# Altium PCB CorePad-V2.0.PcbDoc (part 1 of 3)
Units mil, origin at the board's own origin, x right, y up, seen from the top; angles counter-clockwise.
Board outline 2003.94 x 2003.94 mil, 4 copper layers (TOP, GND02, VCC03, BOT), stack 30.634 mil thick; 57 components, 182 nets, 610 pads, 391 vias.
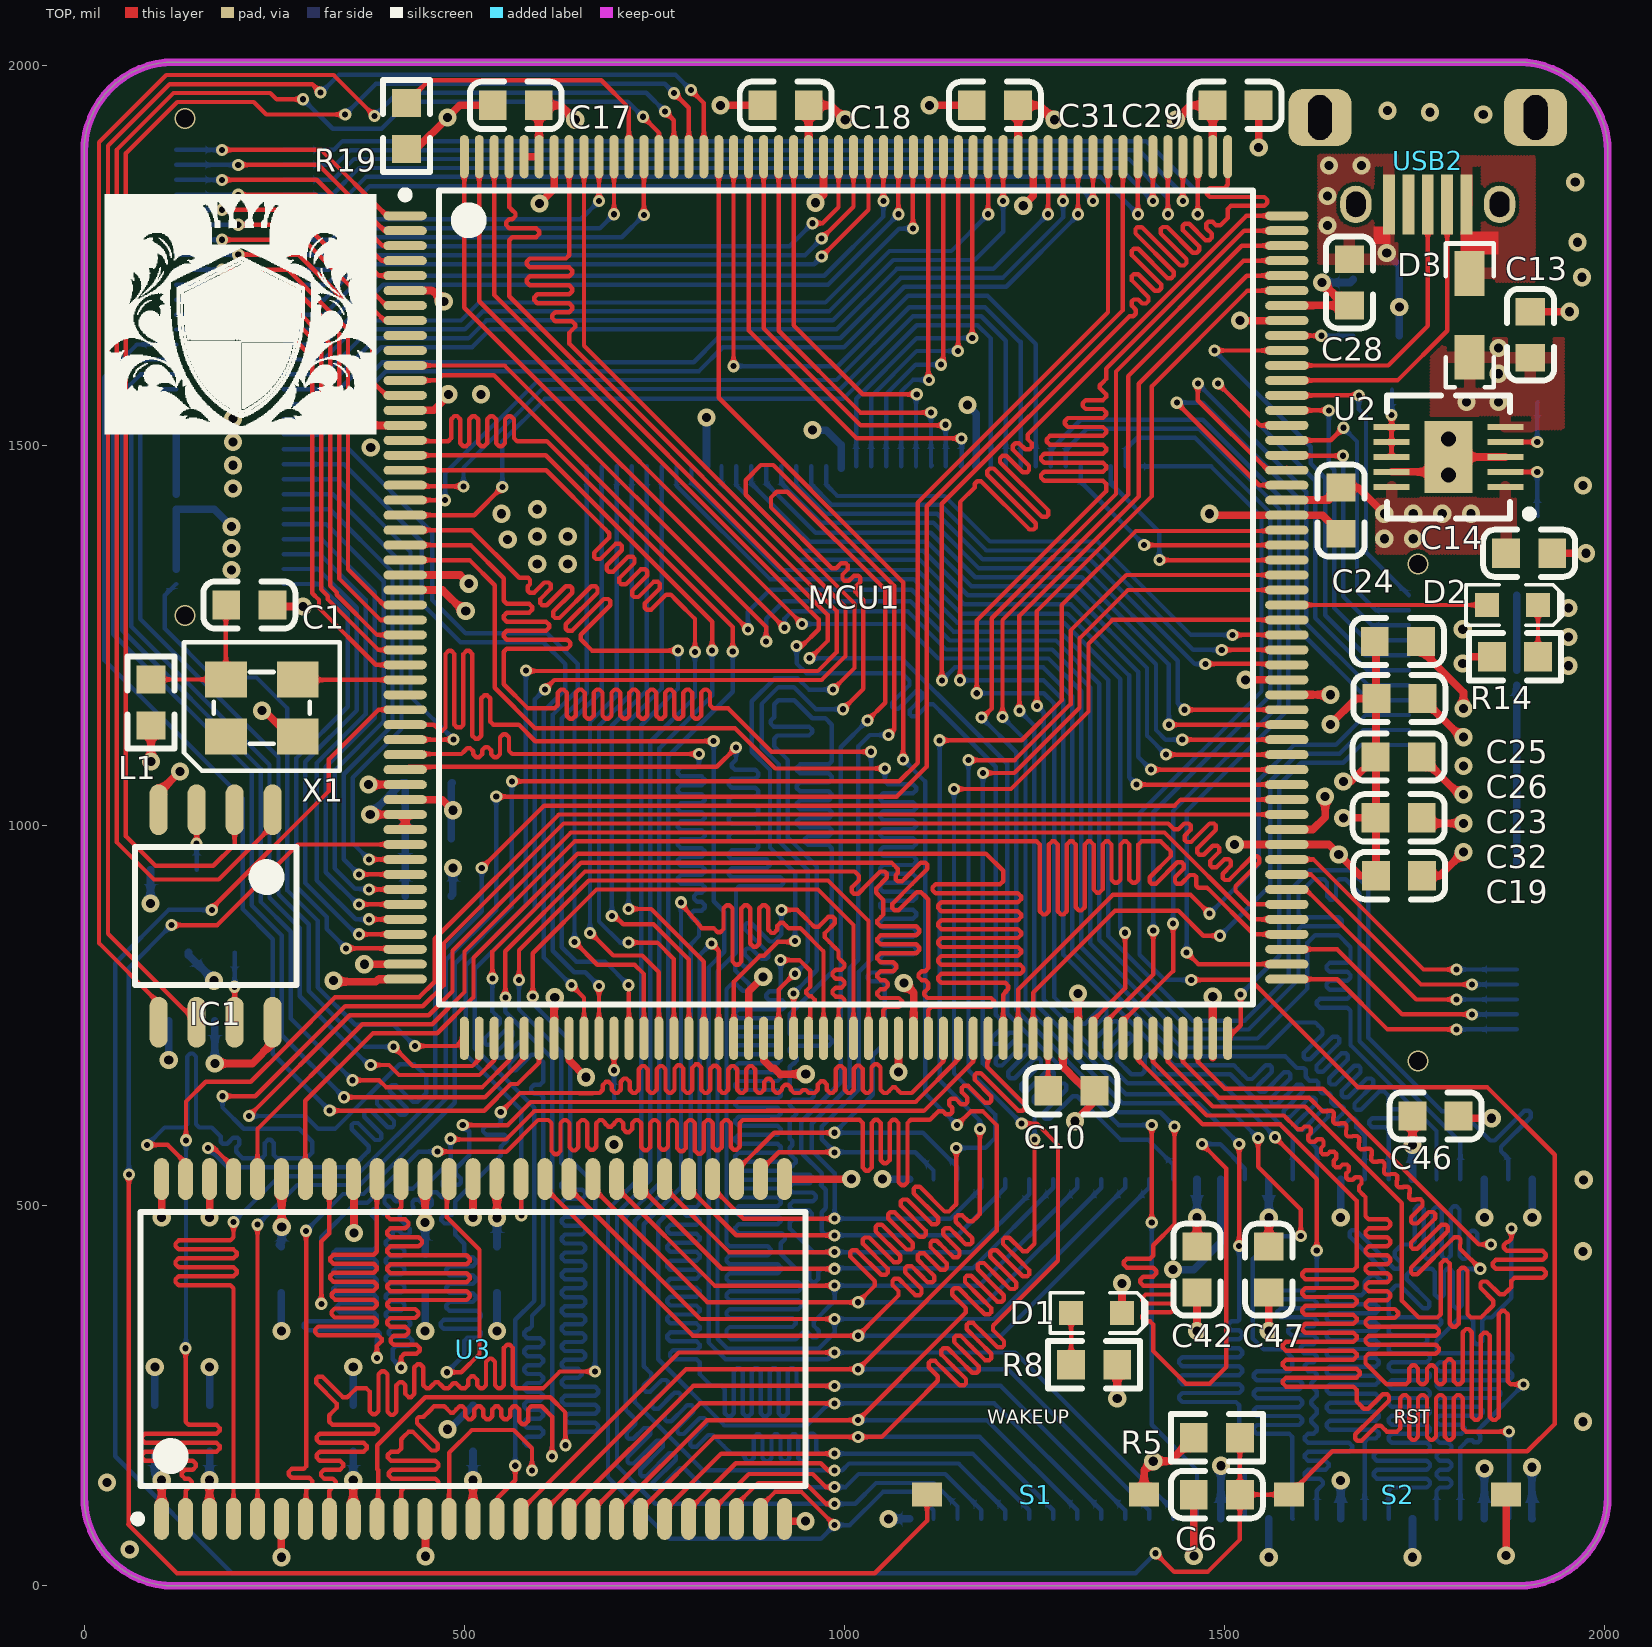
[diagram p0: TOP view]
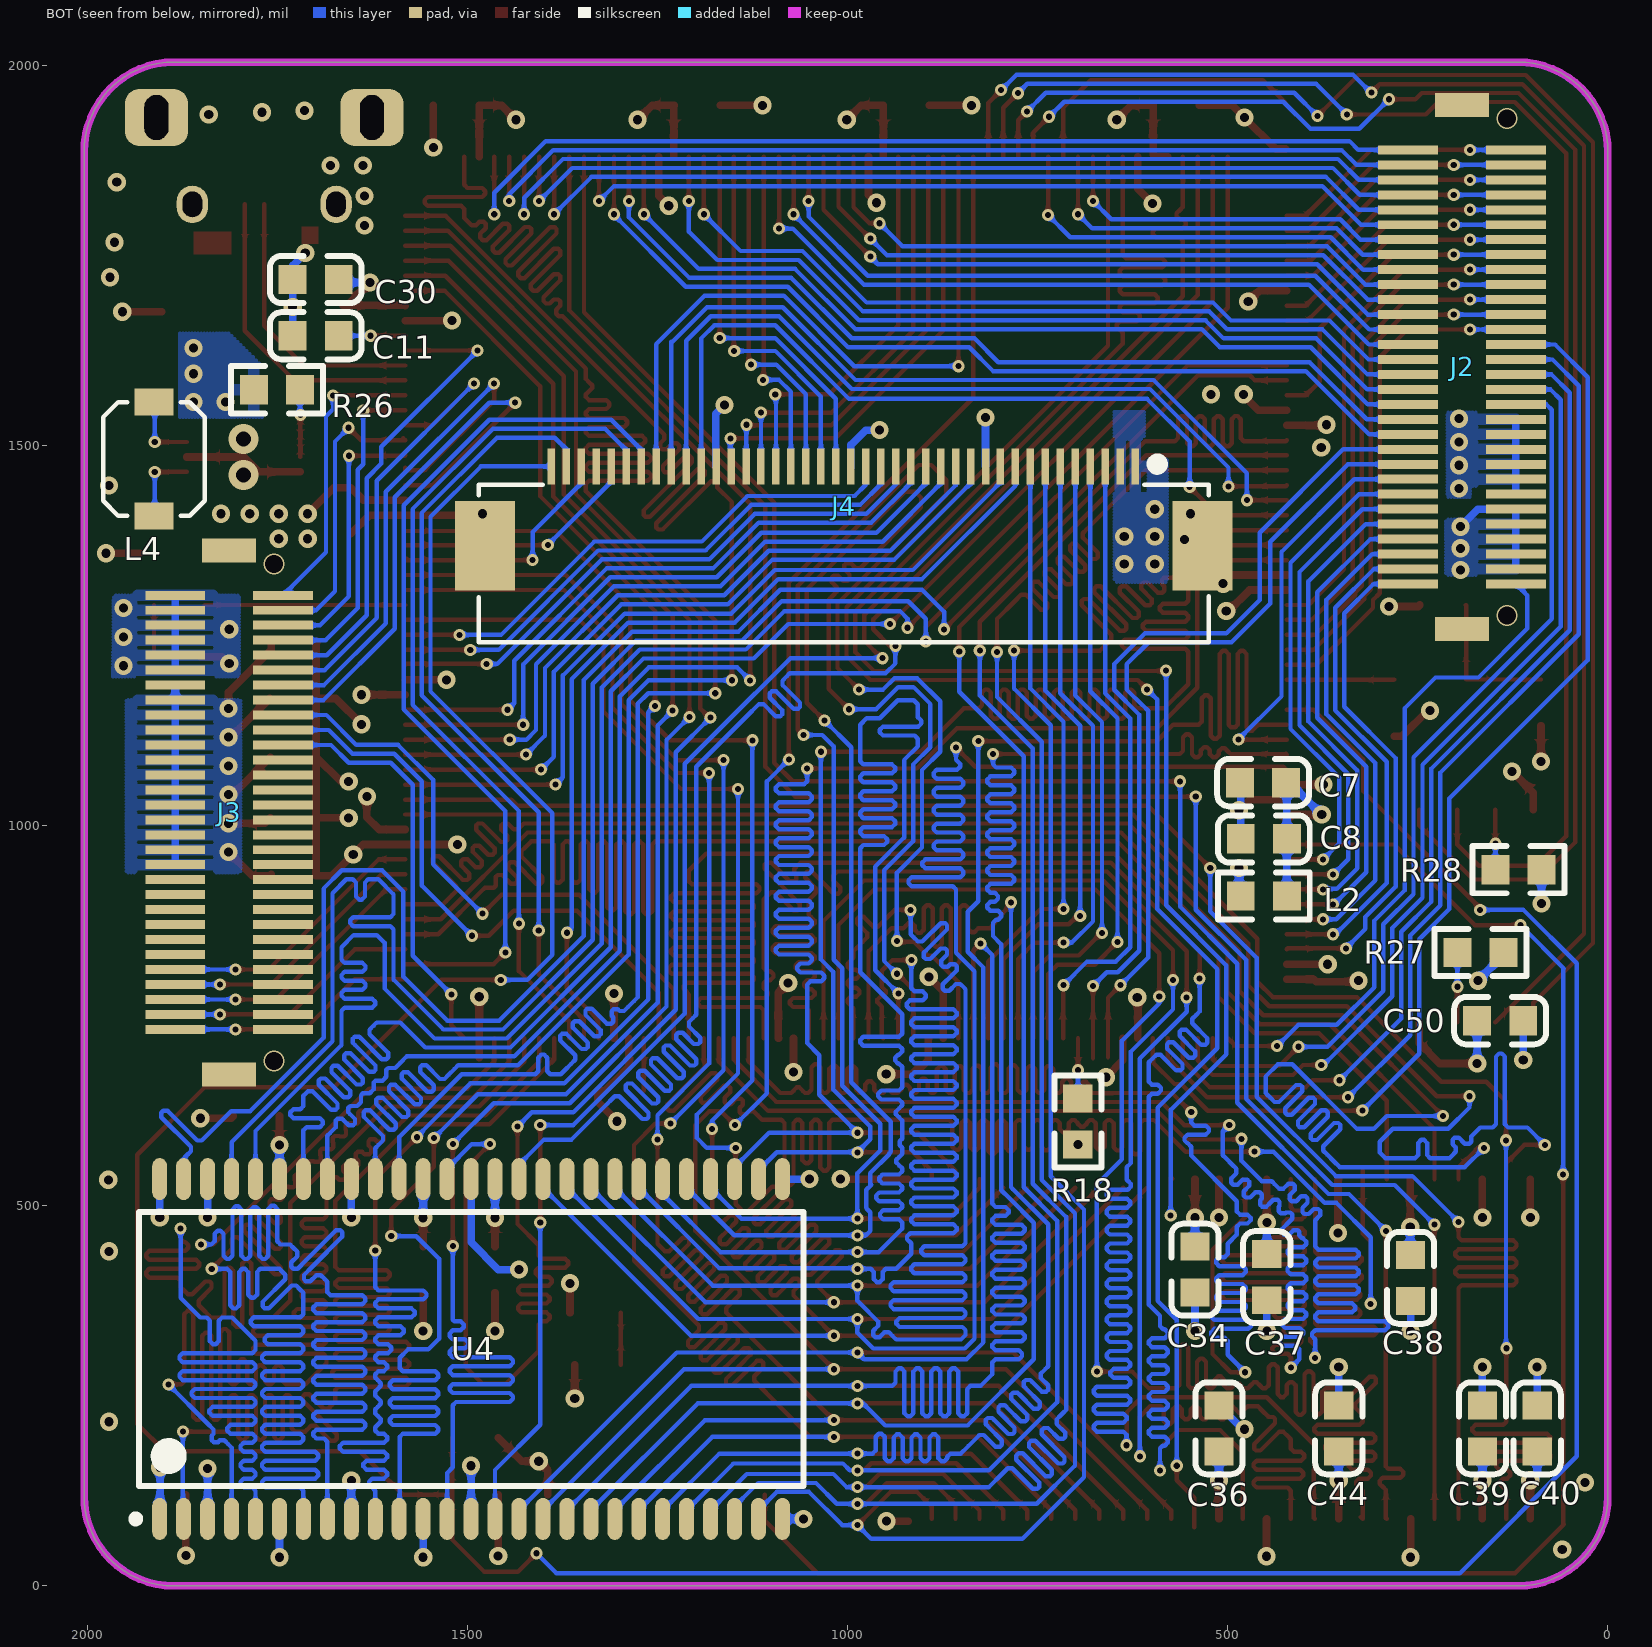
[diagram p1: BOT view, seen from below]
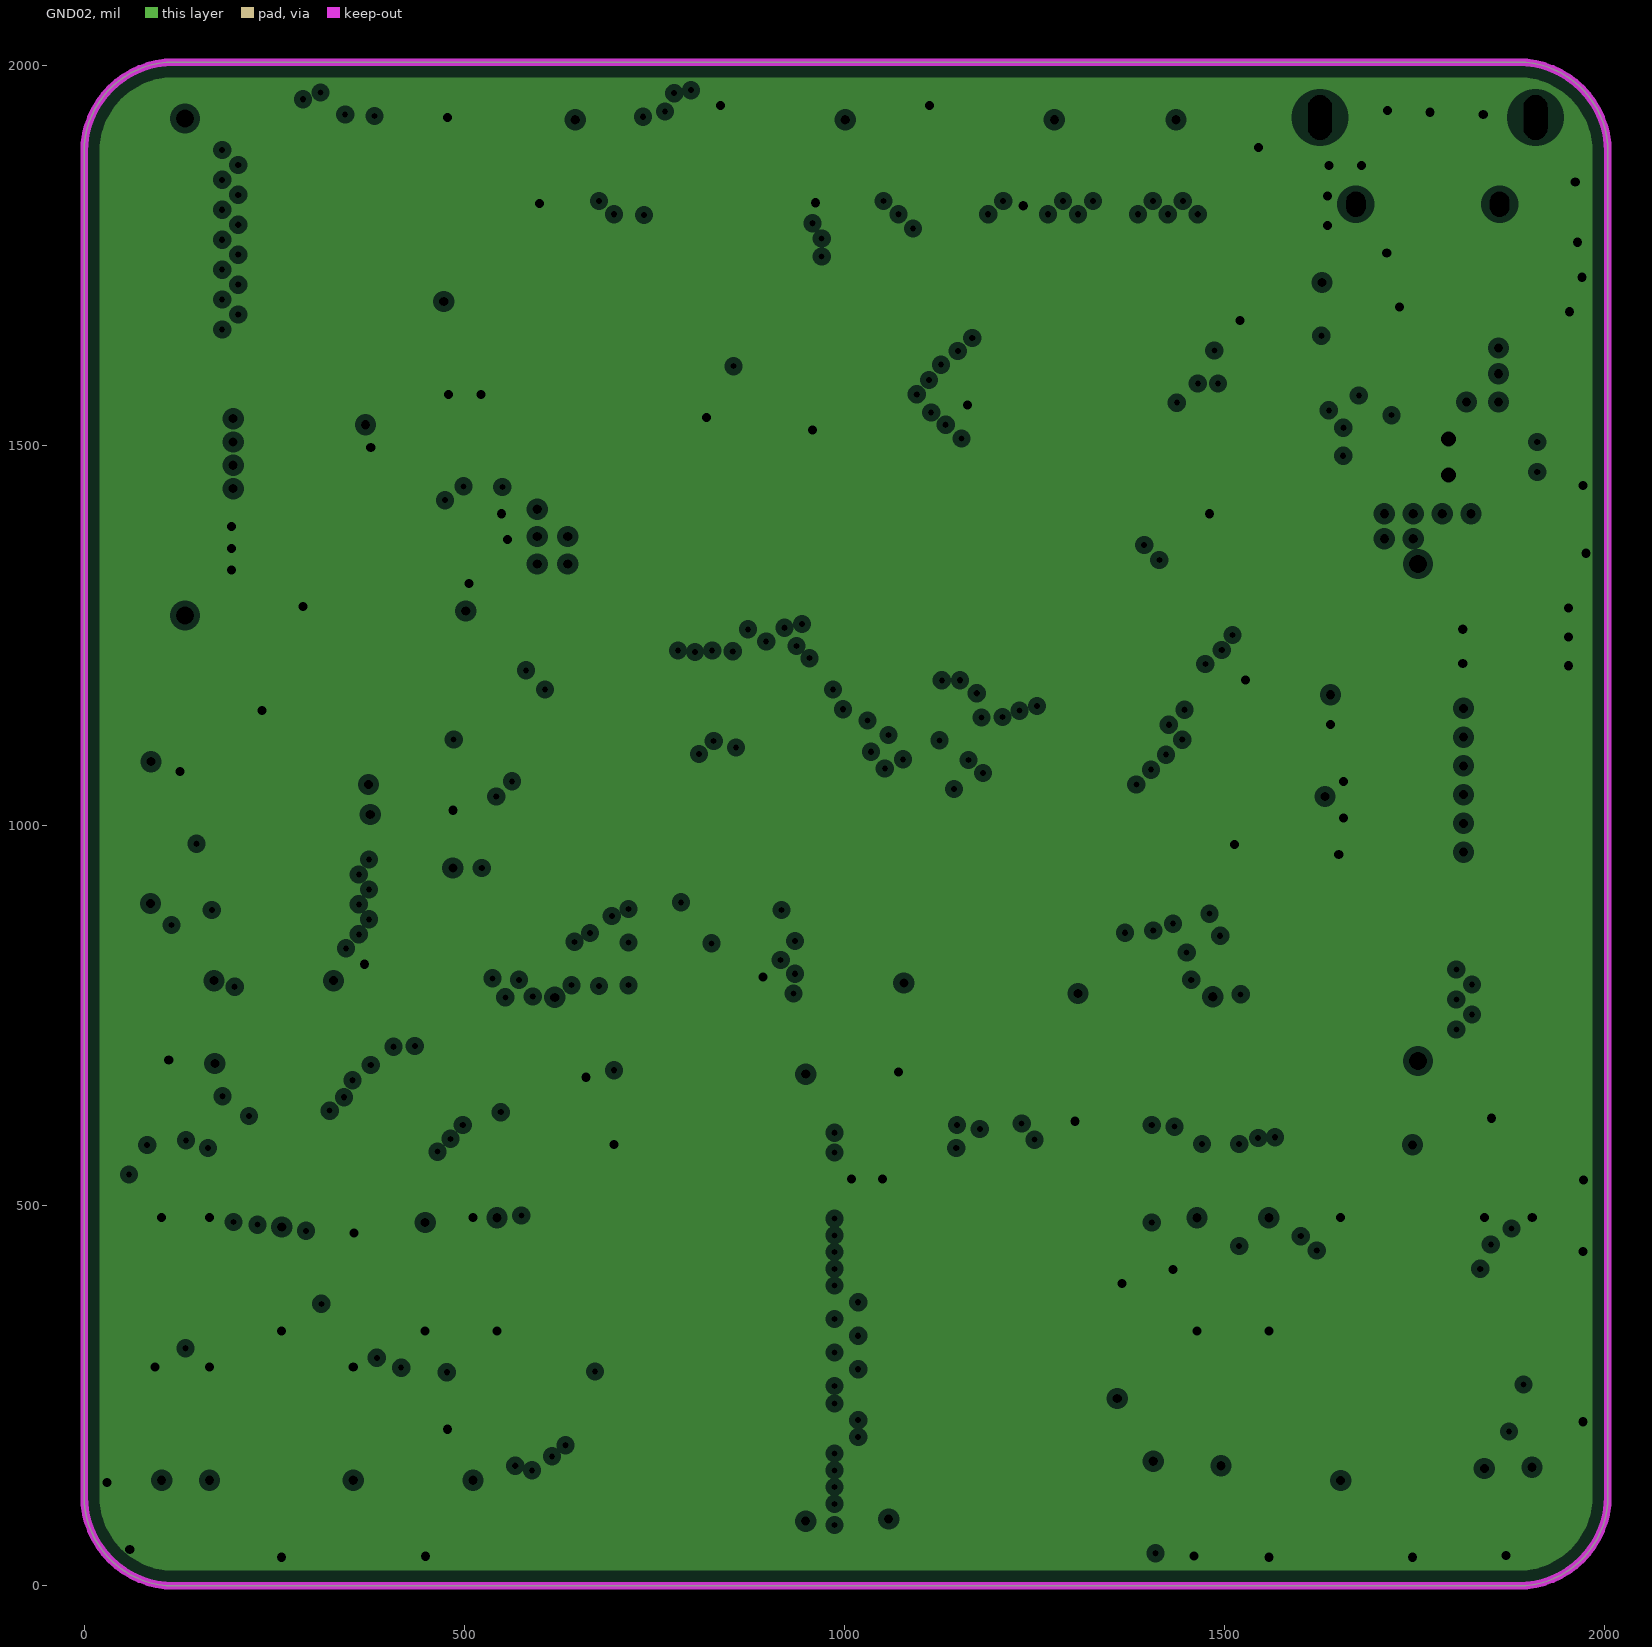
[diagram p2: GND02, clearances drawn from the general rule]
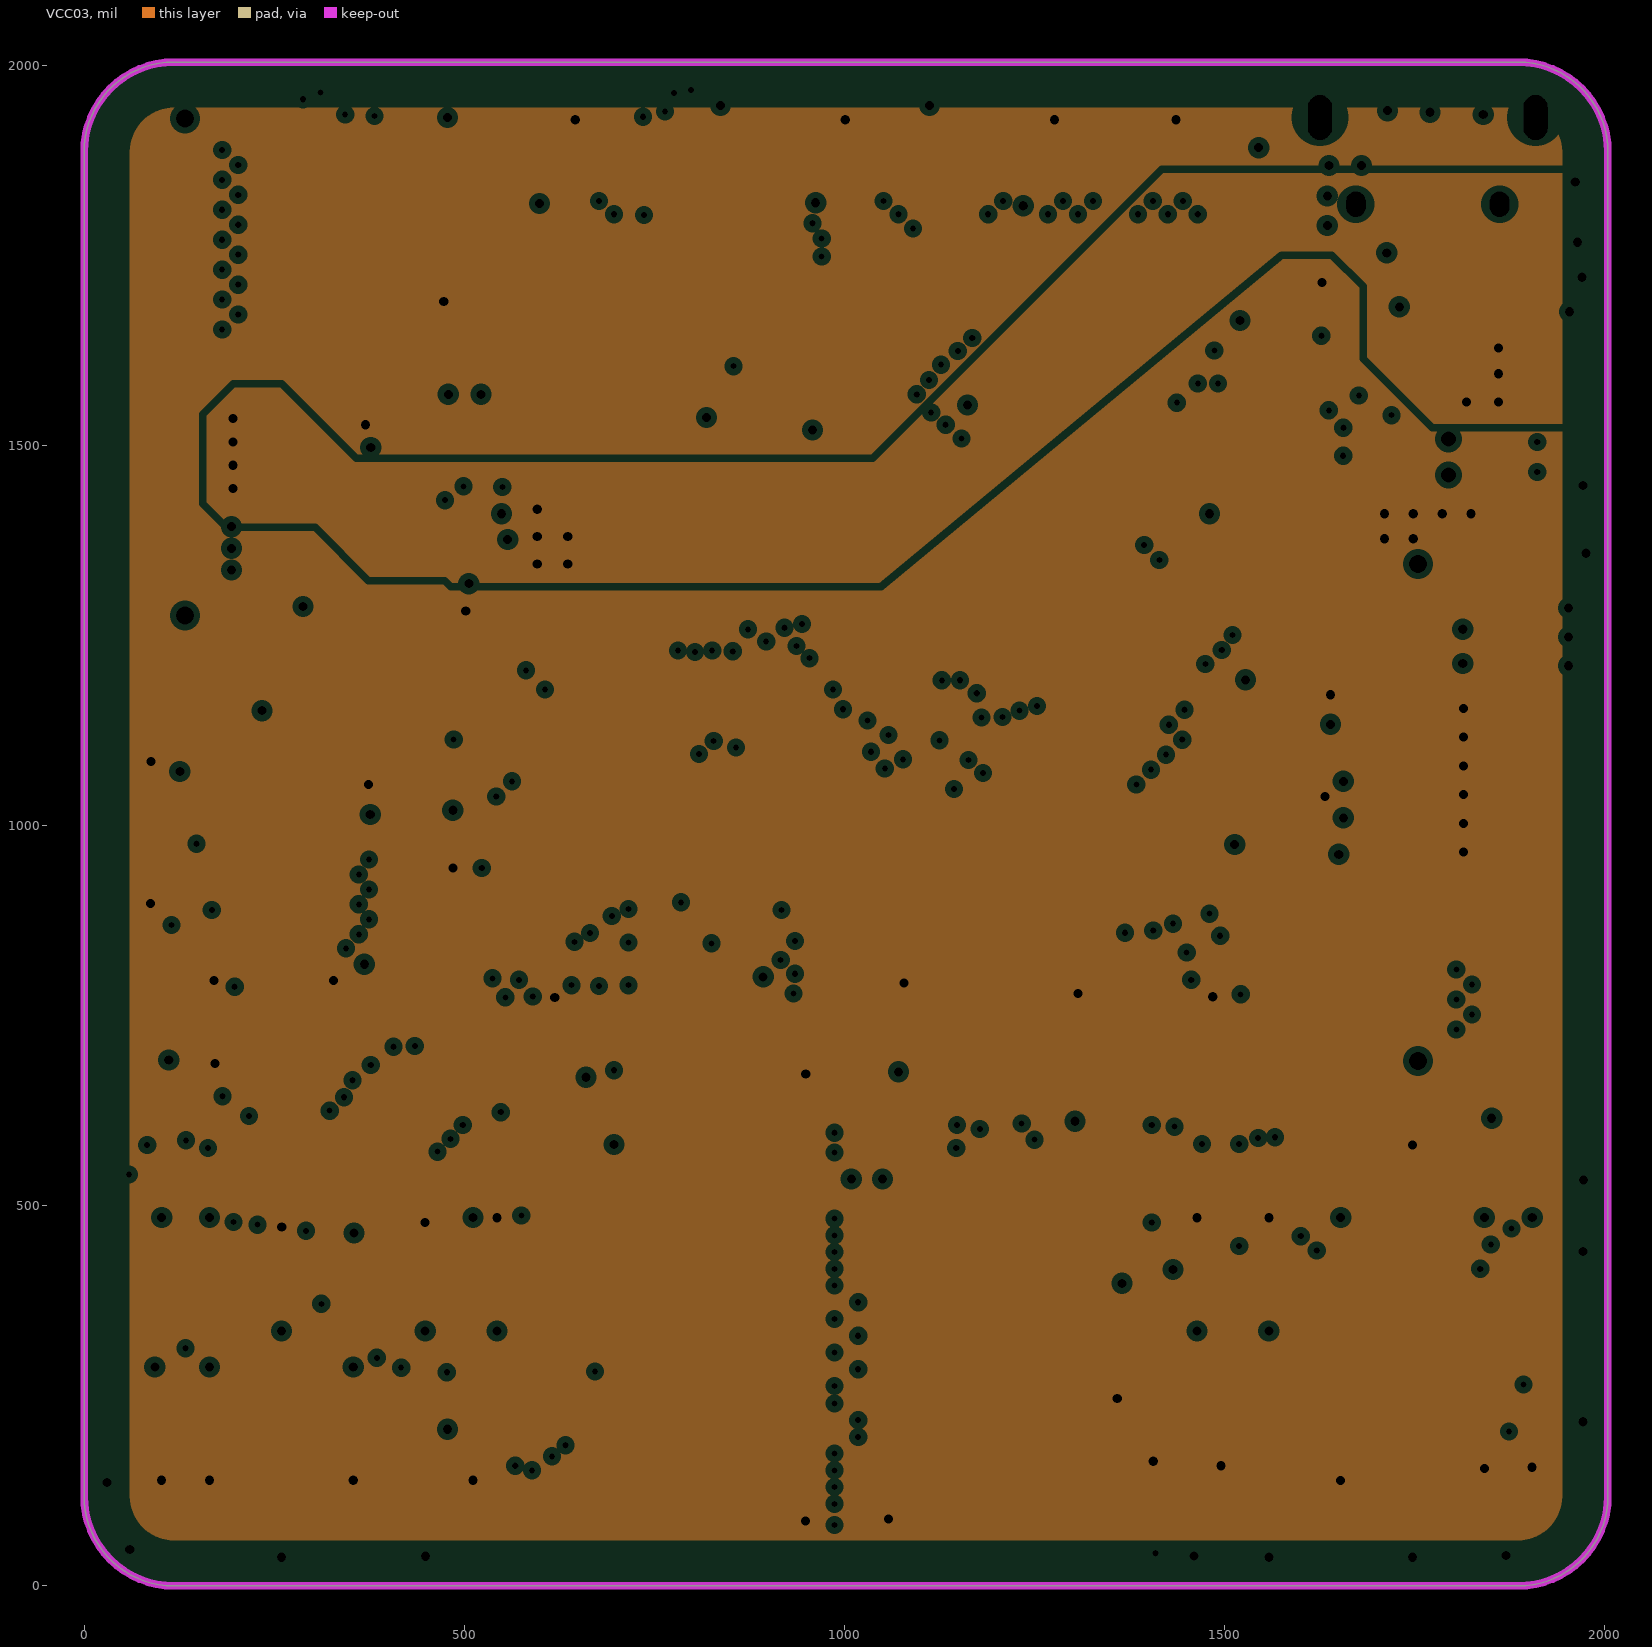
[diagram p3: VCC03, clearances drawn from the general rule]
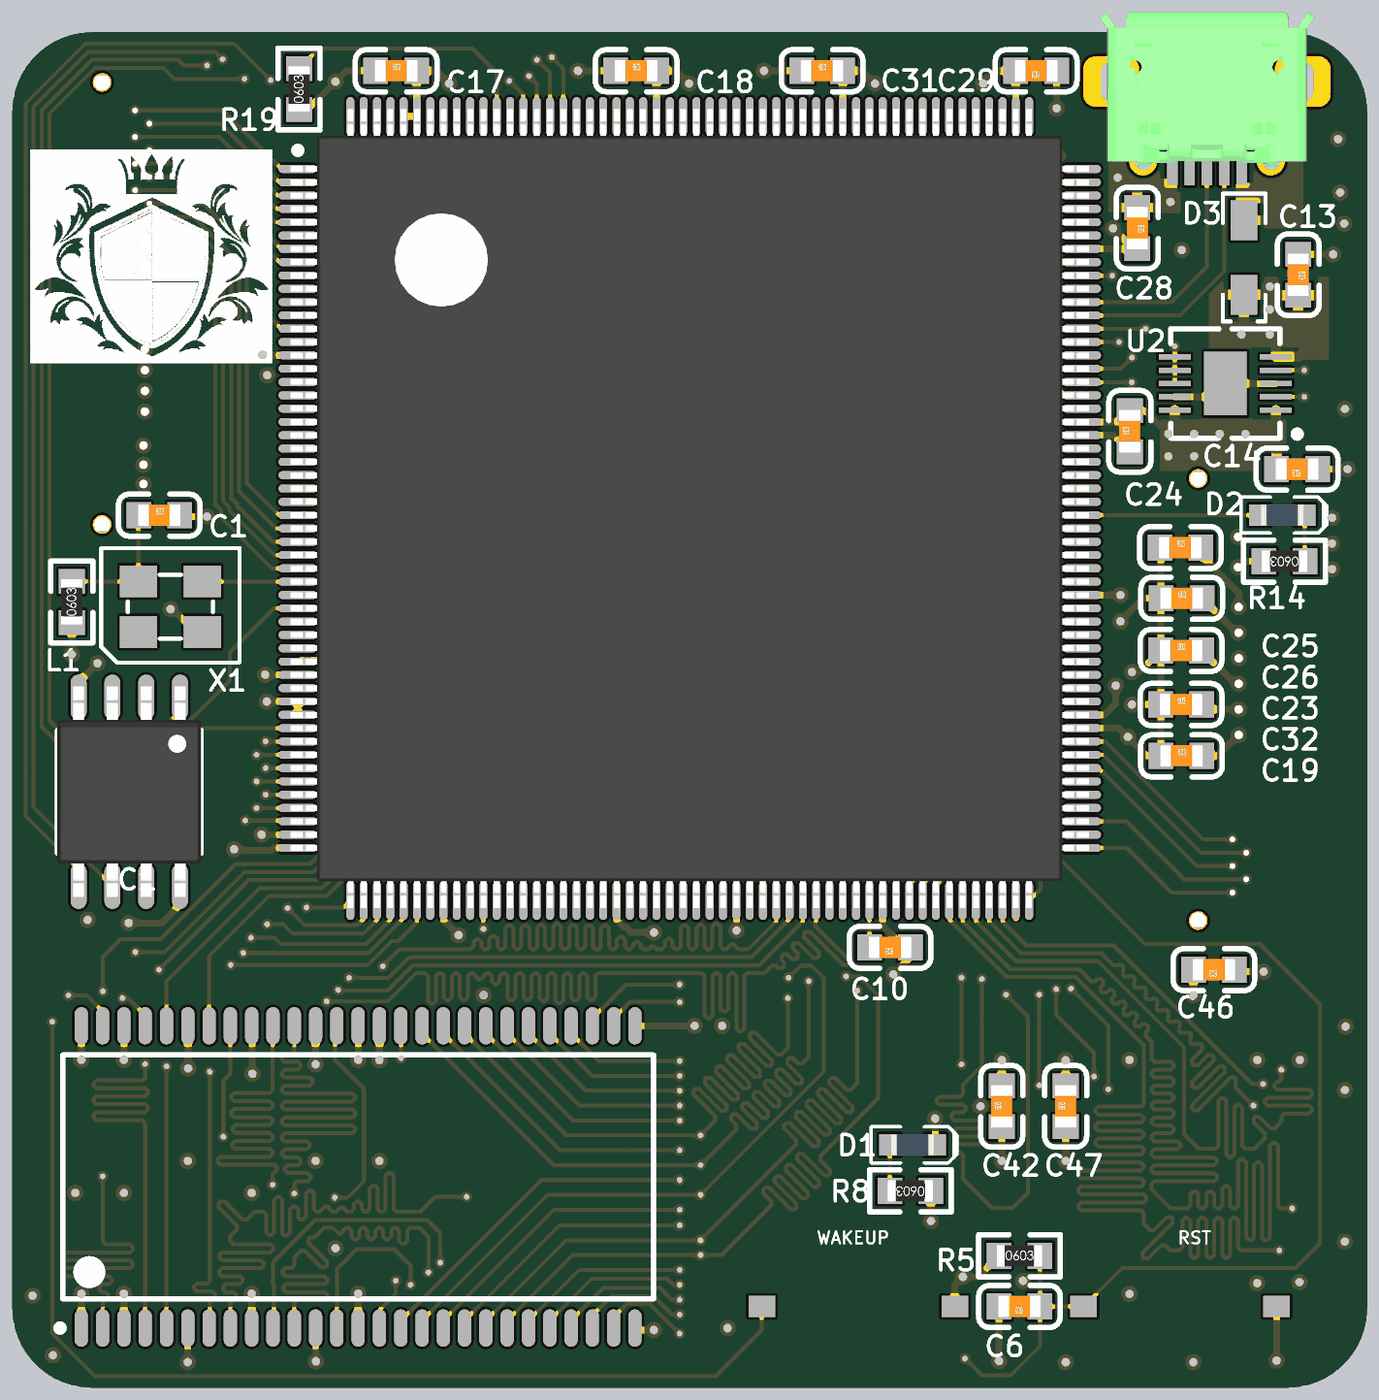
[diagram p6: 3D render of the assembled board from above, using the file's embedded part models]
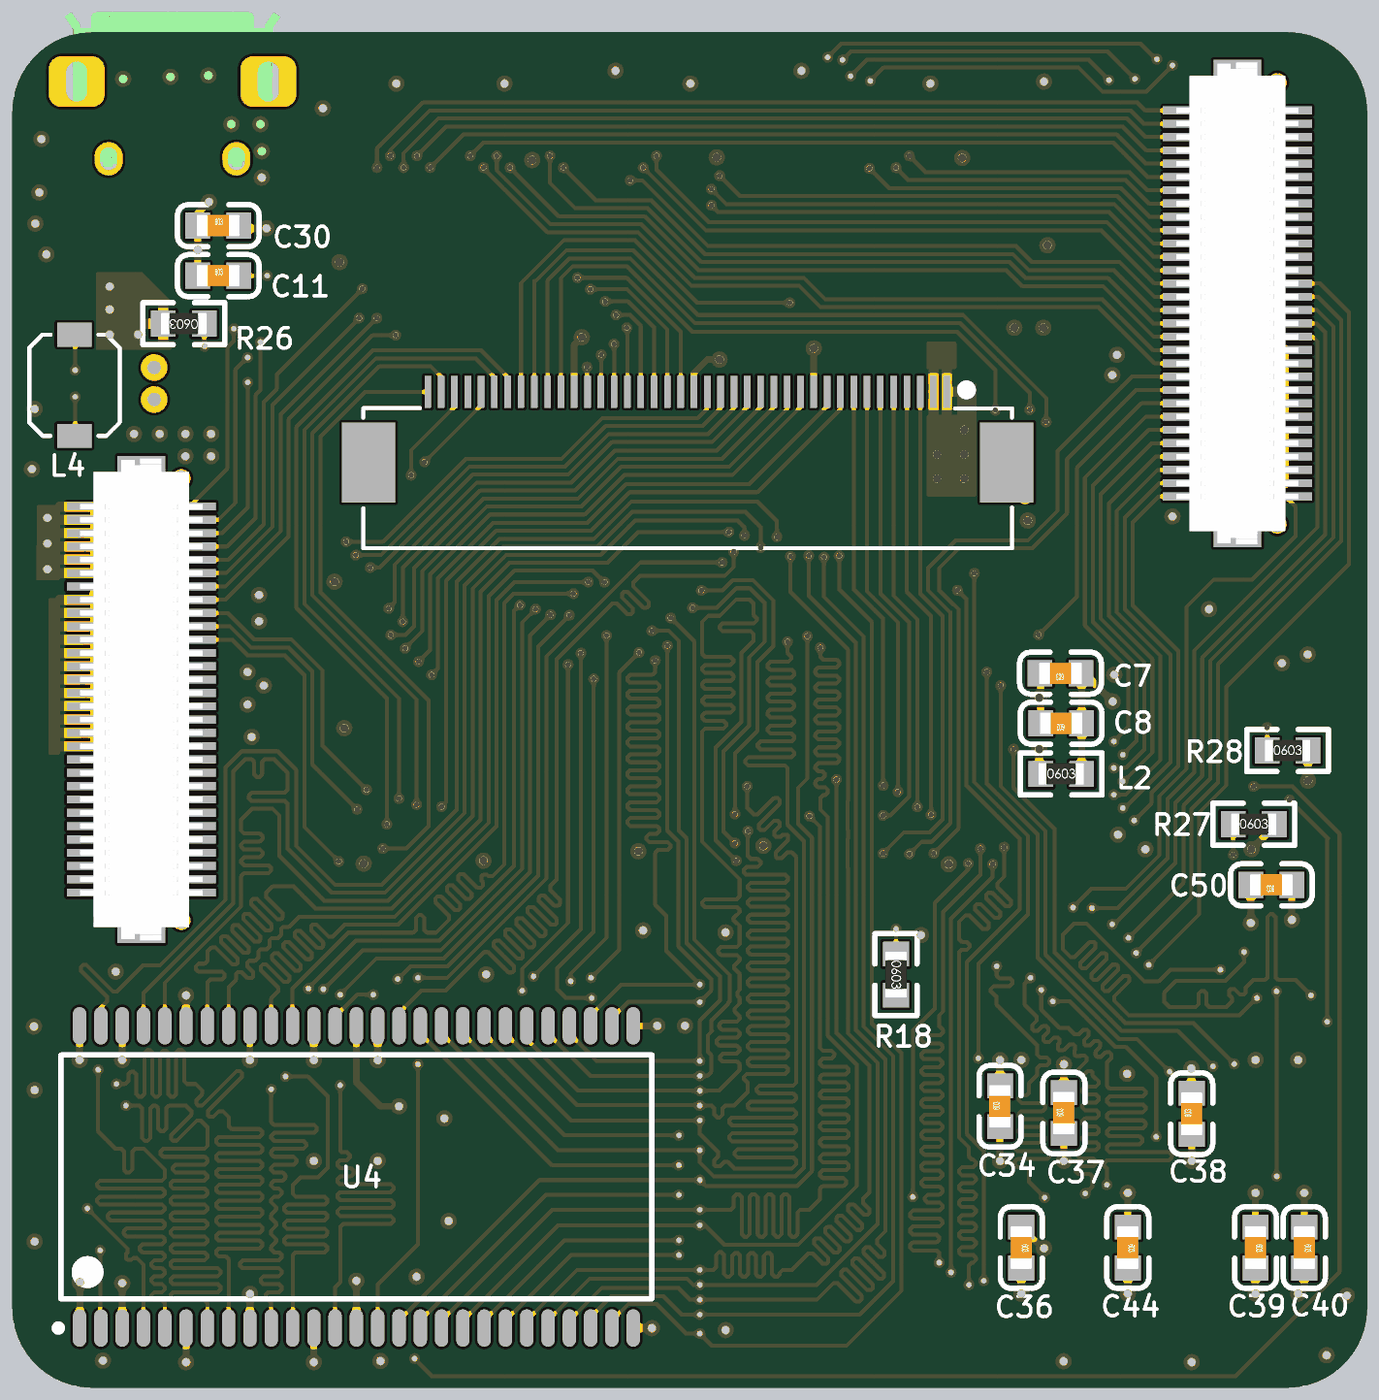
[diagram p7: 3D render of the assembled board from below, using the file's embedded part models]

## Layer stack, top to bottom
Top Solder: solder mask 0.4, Solder Resist, Dk 3.5
TOP: signal copper 1.4
Dielectric 1: core 10, FR-4, Dk 4.2
GND02: plane copper 1.417, net GND
Dielectric 3: prepreg 5, Dk 4.2
VCC03: plane copper 1.417, net (Multiple Nets)
Dielectric 2: core 10, Dk 4.2
BOT: signal copper 1.4
Bottom Solder: solder mask 0.4, Solder Resist, Dk 3.5

## Board outline
2003.94,1885.83 2003.94,118.11 cw(c1885.83,118.11) 1885.83,0 118.11,0 cw(c118.11,118.11) 0,118.11 0,1885.83 cw(c118.11,1885.83) 118.11,2003.94 1885.83,2003.94 cw(c1885.83,1885.83)

## Design rules (kind name [scope] priority, off if disabled: settings)
Clearance Component [InAnyComponent] p1: gap=5
Clearance VIA_PLOY [IsVia vs InPoly] p2: gap=5
Clearance PLOY [InPolygon] p3: gap=5
Clearance Dengchang [InNetClass('Dengchang')] p4: gap=6
Clearance [All] p5: gap=6
DiffPairsRouting [All] p1: maxlimit=20 minlimit=10.34 mostfreqgap=10.34 toplayer_minwidth=5.17 toplayer_maxwidth=5.17 toplayer_prefwidth=5.17 bottomlayer_minwidth=5.17 bottomlayer_maxwidth=5.17 bottomlayer_prefwidth=5.17 maxuncoupledlength=500
PlaneClearance [All] p1: clearance=8
PlaneConnect [All] p1: planeconnectstyle=Relief reliefexpansion=6 reliefentries=4 reliefconductorwidth=10 reliefairgap=8
PolygonConnect VIA [IsVia] p1: connectstyle=Direct reliefconductorwidth=15 reliefentries=4 polygonreliefangle="90 Angle" airgapwidth=10
PolygonConnect [All] p2: connectstyle=Relief reliefconductorwidth=15 reliefentries=4 polygonreliefangle="90 Angle" airgapwidth=10
RoutingVias ComponentVIA [InAnyComponent] p1: holewidth=8 width=16 viastyle="Through Hole" minholewidth=8 minwidth=16 maxholewidth=100 maxwidth=200
RoutingVias PWRVIA [InNetClass('PWR')] p2: holewidth=12 width=24 viastyle="Through Hole" minholewidth=12 minwidth=24 maxholewidth=12 maxwidth=24
RoutingVias [All] p3: holewidth=8 width=16 viastyle="Through Hole" minholewidth=8 minwidth=16 maxholewidth=8 maxwidth=16
SolderMaskExpansion [All] p1: expansion=4
Width PWR [InNetClass('PWR')] p1: maxlimit=40 minlimit=10 preferedwidth=10
Width Routing [All] p2: maxlimit=5.78 minlimit=5.78 preferedwidth=5.78
27 further rules are at their usual default settings.

## Classes and differential pairs
net class SPI_FLASH: PB3 PB4 PB5 PB6
net class SDRAM_D: FMC_D0 FMC_D1 FMC_D2 FMC_D3 FMC_D4 FMC_D5 FMC_D6 FMC_D7 FMC_D8 FMC_D9 FMC_D10 FMC_D11 FMC_D12 FMC_D13 FMC_D14 FMC_D15 FMC_D16 FMC_D17 FMC_D18 FMC_D19 FMC_D20 FMC_D21 FMC_D22 FMC_D23 FMC_D24 FMC_D25 FMC_D26 FMC_D27 FMC_D28 FMC_D29 FMC_D30 FMC_D31
net class SDRAM_A: FMC_A0 FMC_A1 FMC_A2 FMC_A3 FMC_A4 FMC_A5 FMC_A6 FMC_A7 FMC_A8 FMC_A9 FMC_A10 FMC_A11 FMC_A12 FMC_BA0 FMC_BA1 FMC_NBL0 FMC_NBL1 FMC_NBL2 FMC_NBL3 FMC_SDCKE0 FMC_SDCLK FMC_SDNCAS FMC_SDNE0 FMC_SDNRAS FMC_SDNWE
net class PWR: 3V3 5V GND VDDA
net class LCD: CT_INT CT_RST CT_SCL CT_SDA LCD_B0 LCD_B1 LCD_B2 LCD_B3 LCD_B4 LCD_B5 LCD_B6 LCD_B7 LCD_BL LCD_CLK LCD_DE LCD_G0 LCD_G1 LCD_G2 LCD_G3 LCD_G4 LCD_G5 LCD_G6 LCD_G7 LCD_HSYNC LCD_R0 LCD_R1 LCD_R2 LCD_R3 LCD_R4 LCD_R5 LCD_R6 LCD_R7 LCD_VSYNC NRST
net class Dengchang: FMC_A0 FMC_A1 FMC_A2 FMC_A3 FMC_A4 FMC_A5 FMC_A6 FMC_A7 FMC_A8 FMC_A9 FMC_A10 FMC_A11 FMC_A12 FMC_BA0 FMC_BA1 FMC_D0 FMC_D1 FMC_D2 FMC_D3 FMC_D4 FMC_D5 FMC_D6 FMC_D7 FMC_D8 FMC_D9 FMC_D10 FMC_D11 FMC_D12 FMC_D13 FMC_D14 FMC_D15 FMC_D16 FMC_D17 FMC_D18 FMC_D19 FMC_D20 FMC_D21 FMC_D22 FMC_D23 FMC_D24 FMC_D25 FMC_D26 FMC_D27 FMC_D28 FMC_D29 FMC_D30 FMC_D31 FMC_NBL0 FMC_NBL1 FMC_NBL2 FMC_NBL3 FMC_SDCKE0 FMC_SDCLK FMC_SDNCAS FMC_SDNE0 FMC_SDNRAS FMC_SDNWE

## Components (designator, comment, footprint, x,y, rotation, side; value= is the part's Value field where it differs from the comment)
C1 "1uF" 0603_c 217.32,1290 r0 top
C6 "104" 0603_c 1489.69,120 r180 top
C7 "100nF" 0603_c 453.56,1056.35 r0 bottom
C8 "10uF" 0603_c 452.56,982.35 r0 bottom
C10 "2.2uF" 0603_c 1298.31,651 r180 top
C11 "2.2uF" 0603_c 1699.31,1644 r180 bottom
C13 "10uF" 0603_c 1902,1645.32 r270 top
C14 "10uF" 0603_c 1900.31,1358 r180 top
C17 "0.1uF" 0603_c 567.69,1947 r0 top
C18 "0.1uF" 0603_c 922.69,1947 r0 top
C19 "0.1uF" 0603_c 1729.31,934 r0 top
C23 "0.1uF" 0603_c 1728.68,1090 r0 top
C24 "0.1uF" 0603_c 1653,1414 r90 top
C25 "0.1uF" 0603_c 1727.68,1242 r0 top
C26 "0.1uF" 0603_c 1729.68,1167 r0 top
C28 "0.1uF" 0603_c 1664,1714.31 r270 top
C29 "0.1uF" 0603_c 1514.31,1947 r180 top
C30 "0.1uF" 0603_c 1699.31,1718 r180 bottom
C31 "0.1uF" 0603_c 1197.69,1947 r0 top
C32 "0.1uF" 0603_c 1728.68,1010 r0 top
C34 "22uF" 0603_c 542.99,416.01 r90 bottom
C36 "0.1uF" 0603_c 511.5,207.14 r270 bottom
C37 "0.1uF" 0603_c 448.5,406.01 r90 bottom
C38 "0.1uF" 0603_c 259.53,405.01 r90 bottom
C39 "0.1uF" 0603_c 165.04,207.14 r270 bottom
C40 "0.1uF" 0603_c 93.05,207.14 r270 bottom
C42 "0.1uF" 0603_c 1463.5,416.01 r90 top
C44 "0.1uF" 0603_c 354.02,207.14 r270 bottom
C46 "0.1uF" 0603_c 1777.32,618 r180 top
C47 "0.1uF" 0603_c 1557.99,416.01 r90 top
C50 "0.1uF" 0603_c 141.69,743.31 r0 bottom
D1 "LED" D0603-B 1331.46,359 r0 top
D2 "LED" D0603-B 1878.46,1290 r0 top
D3 "1N5819" SOD123 1822,1670.88 r270 top
IC1 "W25Q64" SOIC-W-8 173,881 r270 top locked
J2 "DF12(3.0)-60" DF12(3.0)-60DS 191.87,1602.99 r0 top locked
J3 "DF12(3.0)-60" DF12(3.0)-60DS 1813.13,1017.31 r0 top locked
J4 "RGBLCD" FPC_0.5MM_40P 1005,1420 r0 bottom locked
L1 "3.3uH" 0603_R 88,1161.68 r90 top
L2 "3.3uh" 0603_R 452.56,907.35 r180 bottom locked
L4 "10uH" L-SMD 1912,1482 r270 bottom locked
MCU1 "STM32F429BIT6" LQFP-208-0.5MM 1001.97,1299.84 r0 top locked
R5 "10K" 0603_R 1489.68,195 r0 top
R8 "3K" 0603_R 1328.32,291 r180 top
R14 "1K" 0603_R 1881.69,1222 r180 top
R18 "10k" 0603_R 697,610.69 r270 bottom
R19 "10k" 0603_R 424,1920 r90 top
R26 "100" 0603_R 1750.31,1573 r0 bottom
R27 "10K" 0603_R 167.69,833 r180 bottom
R28 "10K" 0603_R 117.69,942 r180 bottom
S1 "SW-PB" SW-3625 1108.57,120 r180 top locked
S2 "SW-PB" SW-3625 1584.57,120 r180 top
U2 "TPS63001" QFN-10 1794.2,1484.63 r180 top locked
U3 "K4S561632N-TC75" TSOP54 511.5,311.57 r90 top locked
U4 "K4S561632N-TC75" TSOP54 1495,311.58 r90 bottom locked
USB2 "ZX62D-B-5PA8" Micro_USB 1767,1931 r180 top locked
X1 "8MHZ" OSC 233.76,1154.6 r0 top
